# KiCad board mackerel-08-v1.kicad_pcb (continued)
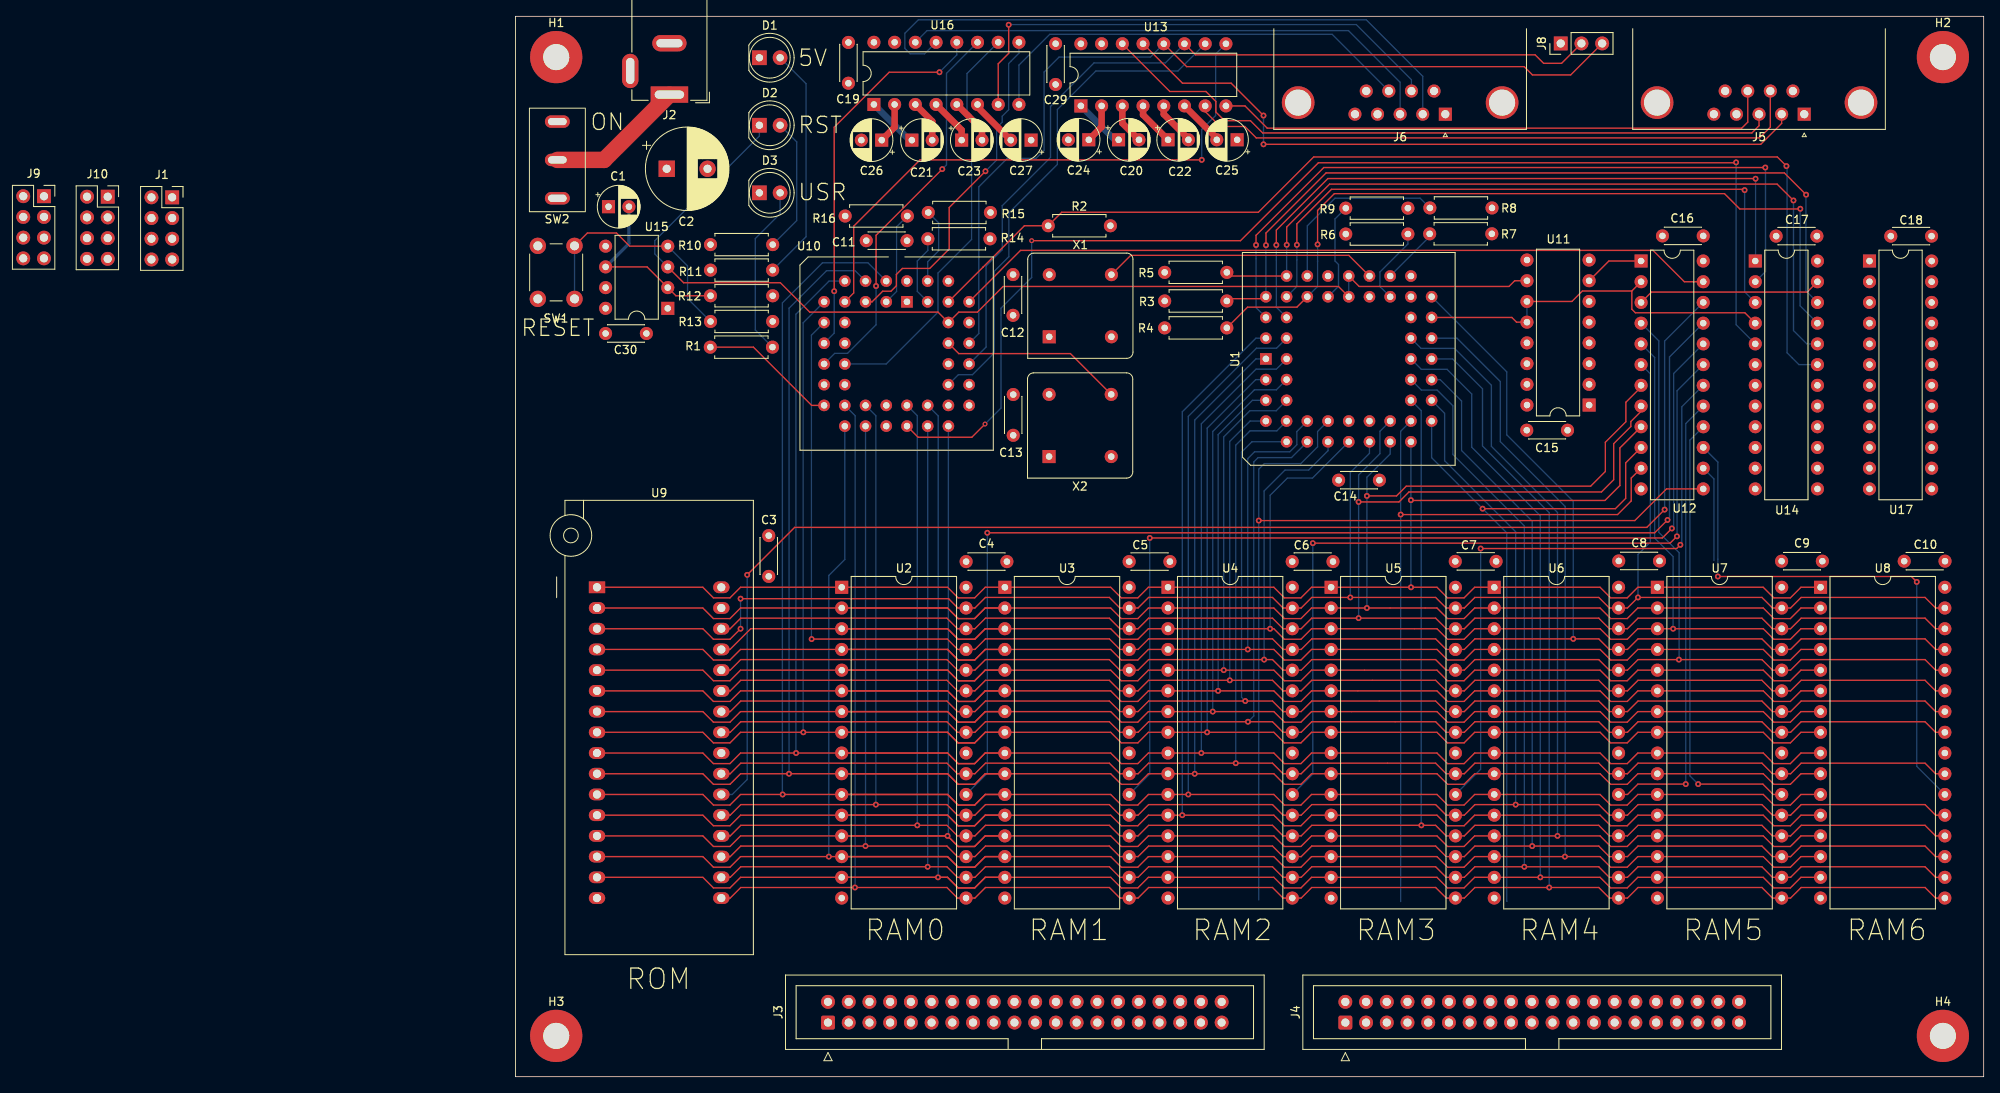
[diagram p0: board, top side]
## Routing (per net, layer and track width the routed paths; a pad name or vN(x,y) marks a point on that pad's centre or on a via; arc(x,y) is an arc through that point)
/AS: length 47.5
  Top w0.16: U11.11 129.52,95.04 130.8,96.32 136.86,96.32 ; 136.86,96.32 136.86,94.1 137.3,93.66 150.72,93.66 U14.4 ; 136.86,96.32 U12.2 ; U1.31 122.15,93.08 122.73,92.5 U11.12
  Bottom w0.16: U11.12 U11.11
/CTSA: length 71.2
  Top w0.16: U10.8 41.47,96.09 41.47,104.27 49.6,112.4 v1(84.14,112.4)
  Bottom w0.16: v1(84.14,112.4) 84.14,116.13 85.84,117.84 85.84,125.37 U13.9
/CTSB: length 42.6
  Top w0.16: v1(57.62,111) 53.18,106.56 53.18,101.48 50.79,99.09 47.44,99.09 46.7,98.35 46.7,96.96 46.04,96.3 45.02,96.3 43.73,95 U10.5
  Bottom w0.16: v1(57.62,111) 58.99,112.38 58.99,116.34 59.68,117.02 59.68,117.76 60.47,118.55 60.47,124.21 61.73,125.47 U16.9
/DUART: length 94.2
  Top w0.16: U12.23 143.3,97.46 139.46,101.3 61.92,101.3 U10.39
/IACK: length 22.7
  Top w0.16: U12.3 139.28,96.2 158.36,96.2 U14.23
/IACK_DUART: length 137.8
  Top w0.16: v1(155.82,111.64) 154.7,112.76 97.86,112.76 91.07,105.97 66.97,105.97 R2.1 62.4,104.32 57.34,99.27 57.34,99.26 U10.41
  Bottom w0.16: U14.19 157.35,87.3 155.9,88.75 155.9,111.56 v1(155.82,111.64)
/INT_DUART: length 149.2
  Top w0.16: v2(63.29,102.49) 88.89,102.49 98.44,112.04 149.6,112.04 v1(149.65,112.1) ; v2(57.57,80.02) 55.95,78.39 49.37,78.39 U10.24
  Bottom w0.16: v1(149.65,112.1) 149.65,92.19 U14.5 ; v2(63.29,102.49) 63.29,97.97 59.53,94.21 59.53,81.97 v2(57.57,80.02)
/IO: length 11.9
  Bottom w0.16: U12.14 146.93,73.29 146.93,63.28
/IPL0: length 97
  Top w0.16: R3.2 87.49,95.38 91.76,95.38 U1.47 ; v1(158.23,108.13) 155.56,110.8 99.38,110.8 92.01,103.43 v1(92.01,101.94)
  Bottom w0.16: v1(92.01,101.94) 92,101.92 U1.47 ; U14.22 158.21,96.33 158.21,108.11 v1(158.23,108.13)
/IPL1: length 98.3
  Top w0.16: v1(98.34,102.04) 98.34,106.2 100.4,108.26 148.22,108.26 150.1,106.38 157.5,106.38 v1(157.52,106.41) ; U1.45 95.8,94.34 89.75,94.34 R4.2
  Bottom w0.16: v1(98.34,102.04) 98.34,96.88 U1.45 ; v1(157.52,106.41) 157.5,106.38 157.5,94.5 U14.21
/IPL2: length 98.2
  Top w0.16: R5.2 87.66,98.16 U1.46 ; v1(156.68,107.42) 154.68,109.43 99.81,109.43 94.55,104.17 v1(94.55,101.99)
  Bottom w0.16: U14.20 158.31,89.84 156.68,91.47 v1(156.68,107.42) ; U1.46 94.54,101.97 v1(94.55,101.99)
/RAM0: length 143.1
  Top w0.16: v1(141.24,68.26) 139.66,66.68 v1(57.85,66.68)
  Bottom w0.16: U12.21 141.48,88.24 141.48,68.5 v1(141.24,68.26) ; v1(57.85,66.68) 57.85,37.21 U2.22
/RAM1: length 121.2
  Top w0.16: v1(77.76,66.05) 140.6,66.05 v1(141.77,67.21)
  Bottom w0.16: U12.20 141.99,86.21 141.99,67.43 v1(141.77,67.21) ; v1(77.76,66.05) 77.76,37.12 U3.22
/RAM2: length 99.2
  Top w0.16: v1(97.75,65.41) 141.56,65.41 v1(142.4,66.25)
  Bottom w0.16: U4.22 97.75,37.11 v1(97.75,65.41) ; v1(142.4,66.25) 142.41,66.26 142.41,84.09 U12.19
/RAM3: length 76.8
  Top w0.16: v1(118.33,64.75) 142.36,64.75 v1(142.81,65.21)
  Bottom w0.16: U12.18 142.99,82.13 142.99,65.39 v1(142.81,65.21) ; v1(118.33,64.75) 118.33,37.69 U5.22
/RAM4: length 56
  Top w0.16: v1(143.47,35.87) 137.61,35.87 136.34,34.6 U6.22
  Bottom w0.16: U12.17 143.47,80.07 v1(143.47,35.87)
/RAM5: length 55.7
  Top w0.16: U7.22 154.19,34.6 152.92,35.87 v1(145,35.87)
  Bottom w0.16: U12.16 143.98,78.04 143.98,36.89 v1(145,35.87)
/RAM6: length 68.7
  Top w0.16: v1(147.41,61.32) 171.13,61.32 v1(171.8,60.66)
  Bottom w0.16: v1(147.41,61.32) 147.41,75.35 U12.15 ; U8.22 171.8,38.04 v1(171.8,60.66)
/RESET: length 137.2
  Top w0.16: U1.41 100.9,96.88 59.78,96.88 56.63,93.73 54.35,93.73 U10.38 51.81,93.73 36.08,93.73 32.48,97.34 20.61,97.34 U15.3 ; U11.10 122.51,97.58 121.81,96.88 103.44,96.88 U1.40
  Bottom w0.16: U1.40 U1.41 ; U15.3 17.08,100.87 17.08,102.49 29.91,115.32 D2.1
/ROM: length 172.2
  Top w0.16: v1(28.41,61.52) 34.23,67.34 138.7,67.34 v1(140.88,69.53)
  Bottom w0.16: U12.22 140.88,90.18 v1(140.88,69.53) ; v1(28.41,61.52) 28.41,36.43 26.58,34.6 U9.22
/RTSA: length 61.7
  Bottom w0.16: U13.10 81.22,123.3 71.16,123.3 66.44,118.57 66.44,111.84 60.49,105.9 60.49,100.54 58.71,98.76 58.71,88.75 56.02,86.06 54.3,86.06 U10.32
/RTSB: length 50.7
  Bottom w0.16: U10.14 45.45,87.38 51.81,93.73 51.81,98.53 55.92,102.65 55.92,117.81 55.36,118.37 55.36,122.99 U16.10
/RW: length 234.5
  Top w0.16: U8.29 174.11,52.38 172.81,53.68 157.62,53.68 156.33,52.38 U7.29 154.11,52.38 152.81,53.68 137.62,53.68 136.33,52.38 U6.29 134.11,52.38 132.81,53.68 v1(129.68,53.68) 117.62,53.68 116.33,52.38 U5.29 114.11,52.38 112.81,53.68 97.62,53.68 96.33,52.38 U4.29 94.11,52.38 92.81,53.68 77.62,53.68 76.33,52.38 U3.29 74.11,52.38 72.81,53.68 57.62,53.68 56.33,52.38 U2.29 54.22,52.38 52.95,53.65 v1(36.31,53.65)
  Bottom w0.16: v1(36.31,53.65) 36.29,53.68 36.29,90.91 U10.9 ; v1(129.68,53.68) 129.68,70.54 121.53,78.69 121.53,86.41 U1.33
A0: length 242
  Top w0.16: 56.3,30.76 57.6,32.06 ; 56.3,30.76 54.27,30.76 ; 56.3,30.76 54.27,30.76 ; 56.3,30.76 57.6,32.06 ; 57.6,32.06 U3.12 ; 57.6,32.06 U3.12 ; U8.12 157.6,32.06 156.3,30.76 154.27,30.76 152.97,32.06 U7.12 137.6,32.06 136.3,30.76 134.27,30.76 132.97,32.06 U6.12 117.6,32.06 116.3,30.76 114.27,30.76 112.97,32.06 U5.12 97.6,32.06 96.3,30.76 94.27,30.76 92.97,32.06 v1(81.75,32.06) U4.12 77.6,32.06 76.3,30.76 74.27,30.76 72.97,32.06 U3.12 ; U9.12 22.97,32.06 24.27,30.76 26.3,30.76 27.6,32.06 U2.12 ; 52.97,32.06 54.27,30.76 ; 52.97,32.06 U2.12 ; 52.97,32.06 U2.12 ; 52.97,32.06 54.27,30.76
  Bottom w0.16: v1(81.75,32.06) 81.75,81.51 90.78,90.54 U1.51
A1: length 316.9
  Top w0.16: U3.11 72.97,34.6 74.27,33.3 76.3,33.3 77.6,34.6 U4.11 v1(82.49,34.6) 92.97,34.6 94.27,33.3 96.3,33.3 97.6,34.6 U5.11 112.97,34.6 114.27,33.3 116.3,33.3 117.6,34.6 U6.11 132.97,34.6 134.27,33.3 136.3,33.3 137.6,34.6 U7.11 152.97,34.6 154.27,33.3 156.3,33.3 157.6,34.6 U8.11 ; U3.11 57.6,34.6 ; U3.11 57.6,34.6 ; 54.27,33.3 56.3,33.3 ; 54.27,33.3 56.3,33.3 ; 54.27,33.3 52.97,34.6 ; 54.27,33.3 52.97,34.6 ; 56.3,33.3 57.6,34.6 ; 56.3,33.3 57.6,34.6 ; 52.97,34.6 U2.11 ; 52.97,34.6 U2.11 ; U2.11 v1(32.76,34.6) 27.6,34.6 26.3,33.3 24.27,33.3 22.97,34.6 U9.11
  Bottom w0.16: v1(82.49,34.6) 82.49,80.95 90.85,89.31 93.31,89.31 U1.52 ; v1(32.76,34.6) 32.73,34.63 32.73,94.87 37.63,99.78 43.22,99.78 U10.2
A2: length 302.7
  Top w0.16: U2.10 52.97,37.14 ; U2.10 v1(33.54,37.14) 27.6,37.14 26.3,35.84 24.27,35.84 22.97,37.14 U9.10 ; U2.10 52.97,37.14 ; 52.97,37.14 54.27,35.84 ; 52.97,37.14 54.27,35.84 ; 54.27,35.84 56.3,35.84 ; 54.27,35.84 56.3,35.84 ; 56.3,35.84 57.6,37.14 ; 56.3,35.84 57.6,37.14 ; 57.6,37.14 U3.10 ; 57.6,37.14 U3.10 ; U3.10 72.97,37.14 74.27,35.84 76.3,35.84 77.6,37.14 U4.10 v1(83.28,37.14) 92.97,37.14 94.27,35.84 96.3,35.84 97.6,37.14 U5.10 112.97,37.14 114.27,35.84 116.3,35.84 117.6,37.14 U6.10 132.97,37.14 134.27,35.84 136.3,35.84 137.6,37.14 U7.10 152.97,37.14 154.27,35.84 156.3,35.84 157.6,37.14 U8.10
  Bottom w0.16: U10.4 41.65,98.81 38.14,98.81 33.54,94.21 v1(33.54,37.14) ; v1(83.28,37.14) 83.28,80.5 90.78,88 U1.1
A3: length 294.2
  Top w0.16: 56.3,38.38 57.6,39.68 ; 56.3,38.38 54.27,38.38 ; 56.3,38.38 57.6,39.68 ; 56.3,38.38 54.27,38.38 ; 57.6,39.68 U3.9 ; 57.6,39.68 U3.9 ; U2.9 52.97,39.68 ; U2.9 52.97,39.68 ; U2.9 v1(34.41,39.68) 27.6,39.68 26.3,38.38 24.27,38.38 22.97,39.68 U9.9 ; 52.97,39.68 54.27,38.38 ; 52.97,39.68 54.27,38.38 ; U3.9 72.97,39.68 74.27,38.38 76.3,38.38 77.6,39.68 U4.9 v1(84.09,39.68) 92.97,39.68 94.27,38.38 96.3,38.38 97.6,39.68 U5.9 112.97,39.68 114.27,38.38 116.3,38.38 117.6,39.68 U6.9 132.97,39.68 134.27,38.38 136.3,38.38 137.6,39.68 U7.9 152.97,39.68 154.27,38.38 156.3,38.38 157.6,39.68 U8.9
  Bottom w0.16: v1(34.41,39.68) 34.38,39.71 34.38,93.48 38.44,97.54 U10.6 ; v1(84.09,39.68) 84.09,80.04 90.79,86.75 93.29,86.75 U1.2
A4: length 279.4
  Top w0.16: 54.27,40.92 56.3,40.92 ; 54.27,40.92 52.97,42.22 ; 54.27,40.92 52.97,42.22 ; 54.27,40.92 56.3,40.92 ; 56.3,40.92 57.6,42.22 ; 56.3,40.92 57.6,42.22 ; U8.8 157.6,42.22 156.3,40.92 154.27,40.92 152.97,42.22 U7.8 137.6,42.22 136.3,40.92 134.27,40.92 132.97,42.22 U6.8 117.6,42.22 116.3,40.92 114.27,40.92 112.97,42.22 U5.8 97.6,42.22 96.3,40.92 94.27,40.92 92.97,42.22 v1(84.8,42.22) U4.8 77.6,42.22 76.3,40.92 74.27,40.92 72.97,42.22 U3.8 ; U2.8 52.97,42.22 ; U2.8 v1(35.3,42.22) 27.6,42.22 26.3,40.92 24.27,40.92 22.97,42.22 U9.8 ; U2.8 52.97,42.22 ; 57.6,42.22 U3.8 ; 57.6,42.22 U3.8
  Bottom w0.16: U10.7 35.27,92.43 35.27,42.25 v1(35.3,42.22) ; v1(84.8,42.22) 84.8,79.51 90.75,85.46 U1.3
A5: length 224.6
  Top w0.16: U2.7 27.6,44.76 26.3,43.46 24.27,43.46 22.97,44.76 U9.7 ; U2.7 52.97,44.76 ; U2.7 52.97,44.76 ; 56.3,43.46 57.6,44.76 ; 56.3,43.46 54.27,43.46 ; 56.3,43.46 54.27,43.46 ; 56.3,43.46 57.6,44.76 ; 57.6,44.76 U3.7 ; 57.6,44.76 U3.7 ; U8.7 157.6,44.76 156.3,43.46 154.27,43.46 152.97,44.76 U7.7 137.6,44.76 136.3,43.46 134.27,43.46 132.97,44.76 U6.7 117.6,44.76 116.3,43.46 114.27,43.46 112.97,44.76 U5.7 97.6,44.76 96.3,43.46 94.27,43.46 92.97,44.76 v1(85.49,44.76) U4.7 77.6,44.76 76.3,43.46 74.27,43.46 72.97,44.76 U3.7 ; 52.97,44.76 54.27,43.46 ; 52.97,44.76 54.27,43.46
  Bottom w0.16: v1(85.49,44.76) 85.49,79.1 90.59,84.21 93.29,84.21 U1.4
A6: length 217.6
  Top w0.16: U2.6 52.97,47.3 ; U2.6 52.97,47.3 ; U2.6 27.6,47.3 26.3,46 24.27,46 22.97,47.3 U9.6 ; 52.97,47.3 54.27,46 ; 52.97,47.3 54.27,46 ; 54.27,46 56.3,46 ; 54.27,46 56.3,46 ; 56.3,46 57.6,47.3 ; 56.3,46 57.6,47.3 ; 57.6,47.3 U3.6 ; 57.6,47.3 U3.6 ; U3.6 72.97,47.3 74.27,46 76.3,46 77.6,47.3 U4.6 v1(86.15,47.3) 92.97,47.3 94.27,46 96.3,46 97.6,47.3 U5.6 112.97,47.3 114.27,46 116.3,46 117.6,47.3 U6.6 132.97,47.3 134.27,46 136.3,46 137.6,47.3 U7.6 152.97,47.3 154.27,46 156.3,46 157.6,47.3 U8.6
  Bottom w0.16: U1.5 90.35,82.92 86.15,78.72 v1(86.15,47.3)
A7: length 216.7
  Top w0.16: U2.5 52.97,49.84 ; U2.5 27.6,49.84 26.3,48.54 24.27,48.54 22.97,49.84 U9.5 ; U2.5 52.97,49.84 ; 52.97,49.84 54.27,48.54 ; 52.97,49.84 54.27,48.54 ; U8.5 157.6,49.84 156.3,48.54 154.27,48.54 152.97,49.84 U7.5 137.6,49.84 136.3,48.54 134.27,48.54 132.97,49.84 U6.5 117.6,49.84 116.3,48.54 114.27,48.54 112.97,49.84 U5.5 97.6,49.84 96.3,48.54 94.27,48.54 92.97,49.84 v1(86.83,49.84) U4.5 77.6,49.84 76.3,48.54 74.27,48.54 72.97,49.84 U3.5 ; 54.27,48.54 56.3,48.54 ; 54.27,48.54 56.3,48.54 ; 57.6,49.84 U3.5 ; 57.6,49.84 56.3,48.54 ; 57.6,49.84 U3.5 ; 57.6,49.84 56.3,48.54
  Bottom w0.16: v1(86.83,49.84) 86.83,78.44 90.03,81.64 93.26,81.64 U1.6
A8: length 192.3
  Top w0.16: U9.27 26.33,47.3 27.62,48.6 52.9,48.6 54.19,47.3 U2.27 56.33,47.3 57.62,48.6 72.81,48.6 74.11,47.3 U3.27 76.33,47.3 77.62,48.6 v1(87.57,48.6) 92.81,48.6 94.11,47.3 U4.27 96.33,47.3 97.62,48.6 112.81,48.6 114.11,47.3 U5.27 116.33,47.3 117.62,48.6 132.81,48.6 134.11,47.3 U6.27 136.33,47.3 137.62,48.6 152.81,48.6 154.11,47.3 U7.27 156.33,47.3 157.62,48.6 172.81,48.6 174.11,47.3 U8.27
  Bottom w0.16: v1(87.57,48.6) 87.57,77.88 90.07,80.38 U1.7
A9: length 194.3
  Top w0.16: U9.26 26.33,44.76 27.62,46.06 52.9,46.06 54.19,44.76 U2.26 56.33,44.76 57.62,46.06 72.81,46.06 74.11,44.76 U3.26 76.33,44.76 77.62,46.06 v1(89.47,46.06) 92.81,46.06 94.11,44.76 U4.26 96.33,44.76 97.62,46.06 112.81,46.06 114.11,44.76 U5.26 116.33,44.76 117.62,46.06 132.81,46.06 134.11,44.76 U6.26 136.33,44.76 137.62,46.06 152.81,46.06 154.11,44.76 U7.26 156.33,44.76 157.62,46.06 172.81,46.06 174.11,44.76 U8.26
  Bottom w0.16: v1(89.47,46.06) 89.02,46.51 89.02,76.56 90.3,77.84 U1.8
A10: length 204
  Top w0.16: U9.23 26.33,37.14 27.62,38.44 52.9,38.44 54.19,37.14 U2.23 56.33,37.14 57.62,38.44 72.81,38.44 74.11,37.14 U3.23 76.33,37.14 77.62,38.44 v1(88.31,38.44) 92.81,38.44 94.11,37.14 U4.23 96.33,37.14 97.62,38.44 112.81,38.44 114.11,37.14 U5.23 116.33,37.14 117.62,38.44 132.81,38.44 134.11,37.14 U6.23 136.33,37.14 137.62,38.44 152.81,38.44 154.11,37.14 U7.23 156.33,37.14 157.62,38.44 172.81,38.44 174.11,37.14 U8.23
  Bottom w0.16: U1.9 93.34,79.18 90.06,79.18 88.31,77.42 v1(88.31,38.44)
A11: length 197.2
  Top w0.16: U8.25 174.11,42.22 172.81,43.52 157.62,43.52 156.33,42.22 U7.25 154.11,42.22 152.81,43.52 137.62,43.52 136.33,42.22 U6.25 134.11,42.22 132.81,43.52 117.62,43.52 116.33,42.22 U5.25 114.11,42.22 112.81,43.52 97.62,43.52 96.33,42.22 U4.25 94.11,42.22 92.81,43.52 v1(89.8,43.52) 77.62,43.52 76.33,42.22 U3.25 74.11,42.22 72.81,43.52 57.62,43.52 56.33,42.22 U2.25 54.19,42.22 52.9,43.52 27.62,43.52 26.33,42.22 U9.25
  Bottom w0.16: v1(89.8,43.52) 90.52,44.23 90.52,75.37 91.05,75.9 95.14,75.9 U1.10
A12: length 212.1
  Top w0.16: U2.4 52.97,52.38 ; U2.4 52.97,52.38 ; U2.4 27.6,52.38 26.3,51.08 24.27,51.08 22.97,52.38 U9.4 ; 52.97,52.38 54.27,51.08 ; 52.97,52.38 54.27,51.08 ; 56.3,51.08 57.6,52.38 ; 56.3,51.08 54.27,51.08 ; 56.3,51.08 54.27,51.08 ; 56.3,51.08 57.6,52.38 ; 57.6,52.38 U3.4 ; 57.6,52.38 U3.4 ; U3.4 72.97,52.38 74.27,51.08 76.3,51.08 77.6,52.38 U4.4 v1(89.78,52.38) 92.97,52.38 94.27,51.08 96.3,51.08 97.6,52.38 U5.4 112.97,52.38 114.27,51.08 116.3,51.08 117.6,52.38 U6.4 132.97,52.38 134.27,51.08 136.3,51.08 137.6,52.38 U7.4 152.97,52.38 154.27,51.08 156.3,51.08 157.6,52.38 U8.4
  Bottom w0.16: v1(89.78,52.38) 89.78,75.77 90.62,76.61 94.94,76.61 95.8,77.48 95.8,79.1 U1.11
A13: length 232.3
  Top w0.16: U8.28 174.11,49.84 172.81,51.14 157.62,51.14 156.33,49.84 U7.28 154.11,49.84 152.81,51.14 v1(142.64,51.14) 137.62,51.14 136.33,49.84 U6.28 134.11,49.84 132.81,51.14 117.62,51.14 116.33,49.84 U5.28 114.11,49.84 112.81,51.14 97.62,51.14 96.33,49.84 U4.28 94.11,49.84 92.81,51.14 v1(91.79,51.14) 77.62,51.14 76.33,49.84 U3.28 74.11,49.84 72.81,51.14 57.62,51.14 56.33,49.84 U2.28 54.19,49.84 52.9,51.14 27.62,51.14 26.33,49.84 U9.28
  Bottom w0.16: U1.12 99.62,76.75 97.25,74.38 94.35,74.38 91.79,71.81 v1(91.79,51.14) ; v1(142.64,51.14) 142.66,51.16 142.66,64.24 140.17,66.73 140.17,90.21 U12.4
A14: length 228.6
  Top w0.16: 57.6,54.92 U3.3 ; 57.6,54.92 U3.3 ; 57.6,54.92 56.3,53.62 ; 57.6,54.92 56.3,53.62 ; U3.3 72.97,54.92 74.27,53.62 76.3,53.62 77.6,54.92 U4.3 v1(92.52,54.92) 92.97,54.92 94.27,53.62 96.3,53.62 97.6,54.92 U5.3 112.97,54.92 114.27,53.62 116.3,53.62 117.6,54.92 U6.3 132.97,54.92 134.27,53.62 136.3,53.62 137.6,54.92 U7.3 v1(141.93,54.92) 152.97,54.92 154.27,53.62 156.3,53.62 157.6,54.92 U8.3 ; U2.3 52.97,54.92 ; U2.3 52.97,54.92 ; U2.3 28.84,54.92 26.3,52.38 U9.29 ; 52.97,54.92 54.27,53.62 ; 52.97,54.92 54.27,53.62 ; 56.3,53.62 54.27,53.62 ; 56.3,53.62 54.27,53.62
  Bottom w0.16: U12.5 139.66,88.18 139.66,66.02 141.93,63.76 v1(141.93,54.92) ; v1(92.52,54.92) 92.52,71.28 94.63,73.39 97.71,73.39 U1.14
A15: length 226.6
  Top w0.16: v1(27.6,58.6) 53.1,58.6 54.24,57.46 U2.31 56.33,57.46 57.62,58.76 72.81,58.76 74.11,57.46 U3.31 76.33,57.46 77.62,58.76 92.81,58.76 94.11,57.46 U4.31 96.33,57.46 97.62,58.76 v1(102.35,58.76) 112.81,58.76 114.11,57.46 U5.31 116.33,57.46 117.62,58.76 132.81,58.76 134.11,57.46 U6.31 136.33,57.46 v1(137.62,58.76) 152.81,58.76 154.11,57.46 U7.31 156.33,57.46 157.62,58.76 172.81,58.76 174.11,57.46 U8.31 ; U9.3 22.97,54.92 24.27,53.62 26.3,53.62 v1(27.6,54.92)
  Bottom w0.16: v1(27.6,58.6) 27.6,58.6 v1(27.6,54.92) ; v1(137.62,58.76) 137.62,64.03 139.13,65.54 139.13,86.17 U12.6 ; U1.16 104.7,76.42 102.35,74.07 v1(102.35,58.76)
A16: length 243
  Top w0.16: 56.3,56.16 57.6,57.46 ; 56.3,56.16 54.27,56.16 ; 56.3,56.16 54.27,56.16 ; 56.3,56.16 57.6,57.46 ; 57.6,57.46 U3.2 ; 57.6,57.46 U3.2 ; v1(104.38,71.2) 108.02,71.2 109.21,72.4 131.82,72.4 133.62,74.2 133.62,77.78 136.13,80.29 136.13,82.68 138,84.55 U12.7 ; U2.2 52.97,57.46 ; U2.2 52.97,57.46 ; U2.2 27.6,57.46 26.3,56.16 24.27,56.16 22.97,57.46 U9.2 ; 52.97,57.46 54.27,56.16 ; 52.97,57.46 54.27,56.16 ; U8.2 157.6,57.46 156.3,56.16 154.27,56.16 152.97,57.46 U7.2 137.6,57.46 136.3,56.16 134.27,56.16 132.97,57.46 U6.2 117.6,57.46 116.3,56.16 114.27,56.16 112.97,57.46 v1(104.38,57.46) U5.2 97.6,57.46 96.3,56.16 94.27,56.16 92.97,57.46 U4.2 77.6,57.46 76.3,56.16 74.27,56.16 72.97,57.46 U3.2
  Bottom w0.16: U1.18 107.24,76.34 104.38,73.49 v1(104.38,71.2) v1(104.38,57.46)
A17: length 226.1
  Top w0.16: v1(103.37,70.47) 108.32,70.47 109.54,71.68 133.14,71.68 134.64,73.18 134.64,77.6 136.74,79.71 136.74,80.32 138,81.58 U12.8 ; U8.30 174.11,54.92 172.81,56.22 157.62,56.22 156.33,54.92 U7.30 154.11,54.92 152.81,56.22 137.62,56.22 136.33,54.92 U6.30 134.11,54.92 132.81,56.22 117.62,56.22 116.33,54.92 U5.30 114.11,54.92 112.81,56.22 v1(103.37,56.22) 97.62,56.22 96.33,54.92 U4.30 94.11,54.92 92.81,56.22 77.62,56.22 76.33,54.92 U3.30 74.11,54.92 72.81,56.22 57.62,56.22 56.33,54.92 U2.30 54.19,54.92 52.9,56.22 27.62,56.22 26.33,54.92 U9.30
  Bottom w0.16: U1.19 105.98,79.12 105.98,76.38 103.37,73.77 v1(103.37,70.47) v1(103.37,56.22)
A18: length 210
  Top w0.16: U8.1 157.6,60 156.3,58.7 154.27,58.7 152.97,60 U7.1 137.6,60 136.3,58.7 134.27,58.7 132.97,60 U6.1 117.6,60 116.3,58.7 114.27,58.7 112.97,60 v1(109.79,60) U5.1 97.6,60 96.3,58.7 94.27,58.7 92.97,60 U4.1 77.6,60 76.3,58.7 74.27,58.7 72.97,60 U3.1 57.6,60 56.3,58.7 54.27,58.7 52.97,60 U2.1 27.6,60 26.3,58.7 24.27,58.7 22.97,60 U9.1 ; v1(109.78,70.68) 109.82,70.64 133.57,70.64 135.4,72.47 135.4,77.08 U12.9
  Bottom w0.16: v1(109.79,60) 109.78,60.01 v1(109.78,70.68) U1.20
A19: length 87.8
  Top w0.16: v1(118.57,69.64) 134.85,69.64 136.11,70.9 136.11,75.25 U12.10
  Bottom w0.16: U1.21 112.32,75.89 v1(118.57,69.64) 121.53,66.68 121.53,21.52 121.55,21.49
A20: length 92.9
  Top w0.16: v1(108.52,68.92) 135.12,68.92 136.79,70.59 136.79,73.39 U12.11
  Bottom w0.16: U1.22 108.52,79.12 v1(108.52,68.92) 108.52,21.47
A21: length 120.9
  Top w0.16: v1(91.12,68.18) 137.23,68.18 141.11,72.06 U12.13
  Bottom w0.16: 91.12,21.67 v1(91.12,68.18) 91.12,74.48 91.81,75.16 96.28,75.16 98.34,77.22 98.34,79.1 U1.13
BOOT: length 7.4
  Top w0.16: U11.7 134.05,100 U12.1
CLK_CPU: length 33.7
  Top w0.16: X1.5 75.43,100.69 102.17,100.69 U1.38
D0: length 299.7
  Top w0.16: v1(52.97,29.52) 54.27,28.22 ; v1(52.97,29.52) U2.13 ; v1(52.97,29.52) U2.13 ; v1(52.97,29.52) 54.27,28.22 ; 54.27,28.22 56.3,28.22 ; 54.27,28.22 56.3,28.22 ; 56.3,28.22 57.6,29.52 ; 56.3,28.22 57.6,29.52 ; U2.13 27.6,29.52 26.3,28.22 24.27,28.22 22.97,29.52 U9.13 ; 57.6,29.52 U3.13 ; 57.6,29.52 U3.13 ; U8.13 157.6,29.52 156.3,28.22 154.27,28.22 152.97,29.52 U7.13 137.6,29.52 136.3,28.22 134.27,28.22 132.97,29.52 v1(127.75,29.52) U6.13 117.6,29.52 116.3,28.22 114.27,28.22 112.97,29.52 U5.13 97.6,29.52 96.3,28.22 94.27,28.22 92.97,29.52 U4.13 77.6,29.52 76.3,28.22 74.27,28.22 72.97,29.52 U3.13
  Bottom w0.16: v1(127.75,29.52) 127.75,69.17 119.65,77.27 119.65,84.77 115.13,89.29 111.03,89.29 U1.30 ; v1(52.97,29.52) 53.08,29.63 U10.28
D1: length 304.3
  Top w0.16: U2.14 v1(38.42,26.98) 27.6,26.98 26.3,25.68 24.27,25.68 22.97,26.98 U9.14 ; U2.14 52.97,26.98 ; U2.14 52.97,26.98 ; 56.3,25.68 57.6,26.98 ; 56.3,25.68 57.6,26.98 ; 56.3,25.68 54.27,25.68 ; 56.3,25.68 54.27,25.68 ; 57.6,26.98 U3.14 ; 57.6,26.98 U3.14 ; U3.14 72.97,26.98 74.27,25.68 76.3,25.68 77.6,26.98 U4.14 92.97,26.98 94.27,25.68 96.3,25.68 97.6,26.98 U5.14 112.97,26.98 114.27,25.68 116.3,25.68 117.6,26.98 U6.14 v1(128.67,26.98) 132.97,26.98 134.27,25.68 136.3,25.68 137.6,26.98 U7.14 152.97,26.98 154.27,25.68 156.3,25.68 157.6,26.98 U8.14 ; 52.97,26.98 54.27,25.68 ; 52.97,26.98 54.27,25.68
  Bottom w0.16: v1(38.42,26.98) 38.42,61.45 40.38,63.41 U10.18 ; U1.29 115.42,90.54 120.74,85.22 120.74,77.86 128.69,69.91 128.69,27.01 v1(128.67,26.98)
D2: length 309
  Top w0.16: U3.15 72.97,24.44 74.27,23.14 76.3,23.14 77.6,24.44 U4.15 92.97,24.44 94.27,23.14 96.3,23.14 97.6,24.44 U5.15 112.97,24.44 114.27,23.14 116.3,23.14 117.6,24.44 U6.15 v1(125.64,24.44) 132.97,24.44 134.27,23.14 136.3,23.14 137.6,24.44 U7.15 152.97,24.44 154.27,23.14 156.3,23.14 157.6,24.44 U8.15 ; U3.15 57.6,24.44 ; U3.15 57.6,24.44 ; U2.15 27.6,24.44 26.3,23.14 24.27,23.14 22.97,24.44 U9.15 ; U2.15 v1(51.81,24.44) 52.97,24.44 ; U2.15 52.97,24.44 ; 54.27,23.14 56.3,23.14 ; 54.27,23.14 52.97,24.44 ; 54.27,23.14 56.3,23.14 ; 54.27,23.14 52.97,24.44 ; 56.3,23.14 57.6,24.44 ; 56.3,23.14 57.6,24.44
  Bottom w0.16: v1(51.81,24.44) 51.83,24.47 51.83,81.01 U10.27 ; v1(125.64,24.44) 125.64,68.76 117.24,77.17 117.24,83.7 114.21,86.72 111.06,86.72 U1.28
D3: length 289.4
  Top w0.16: U9.17 26.33,21.9 27.62,23.2 v1(41.62,23.2) 52.9,23.2 54.19,21.9 U2.17 56.33,21.9 57.62,23.2 72.81,23.2 74.11,21.9 U3.17 76.33,21.9 77.62,23.2 92.81,23.2 94.11,21.9 U4.17 96.33,21.9 97.62,23.2 112.81,23.2 114.11,21.9 U5.17 116.33,21.9 117.62,23.2 v1(126.74,23.2) 132.81,23.2 134.11,21.9 U6.17 136.33,21.9 137.62,23.2 152.81,23.2 154.11,21.9 U7.17 156.33,21.9 157.62,23.2 172.81,23.2 174.11,21.9 U8.17
  Bottom w0.16: v1(126.74,23.2) 126.74,69.14 118.56,77.32 118.56,84.33 114.89,88 U1.27 ; v1(41.62,23.2) 41.65,23.22 41.65,81.03 U10.19
D4: length 278.2
  Top w0.16: U9.18 26.33,24.44 27.62,25.74 v1(50.54,25.74) 52.9,25.74 54.19,24.44 U2.18 56.33,24.44 57.62,25.74 72.81,25.74 74.11,24.44 U3.18 76.33,24.44 77.62,25.74 92.81,25.74 94.11,24.44 U4.18 96.33,24.44 97.62,25.74 112.81,25.74 114.11,24.44 U5.18 116.33,24.44 117.62,25.74 v1(123.69,25.74) 132.81,25.74 134.11,24.44 U6.18 136.33,24.44 137.62,25.74 152.81,25.74 154.11,24.44 U7.18 156.33,24.44 157.62,25.74 172.81,25.74 174.11,24.44 U8.18
  Bottom w0.16: U10.26 50.54,25.74 v1(50.54,25.74) ; U1.26 111.06,84.18 112.99,84.18 114.92,82.25 114.92,76.28 123.69,67.52 v1(123.69,25.74)
D5: length 271.9
  Top w0.16: U8.19 174.11,26.98 172.81,28.28 157.62,28.28 156.33,26.98 U7.19 154.11,26.98 152.81,28.28 137.62,28.28 136.33,26.98 U6.19 134.11,26.98 132.81,28.28 v1(124.65,28.28) 117.62,28.28 116.33,26.98 U5.19 114.11,26.98 112.81,28.28 97.62,28.28 96.33,26.98 U4.19 94.11,26.98 92.81,28.28 77.62,28.28 76.33,26.98 U3.19 74.11,26.98 72.81,28.28 57.62,28.28 56.33,26.98 U2.19 54.19,26.98 52.9,28.28 v1(42.92,28.28) 27.62,28.28 26.33,26.98 U9.19
  Bottom w0.16: U10.20 42.92,28.28 v1(42.92,28.28) ; v1(124.65,28.28) 124.65,68.1 115.99,76.76 115.99,82.83 113.37,85.46 U1.25
D6: length 262.2
  Top w0.16: U8.20 174.11,29.52 172.81,30.82 157.62,30.82 156.33,29.52 U7.20 154.11,29.52 152.81,30.82 137.62,30.82 136.33,29.52 U6.20 134.11,29.52 132.81,30.82 117.62,30.82 116.33,29.52 U5.20 114.11,29.52 112.81,30.82 v1(111.06,30.82) 97.62,30.82 96.33,29.52 U4.20 94.11,29.52 92.81,30.82 77.62,30.82 76.33,29.52 U3.20 74.11,29.52 72.81,30.82 57.62,30.82 56.33,29.52 U2.20 54.19,29.52 52.9,30.82 v1(49.27,30.82) 27.62,30.82 26.33,29.52 U9.20
  Bottom w0.16: v1(111.06,30.82) 111.04,30.84 111.04,81.66 U1.24 ; U10.25 49.27,81.03 v1(49.27,30.82)
D7: length 260.8
  Top w0.16: U8.21 174.11,32.06 172.81,33.36 157.62,33.36 156.33,32.06 U7.21 154.11,32.06 152.81,33.36 137.62,33.36 136.33,32.06 U6.21 134.11,32.06 132.81,33.36 v1(122.62,33.36) 117.62,33.36 116.33,32.06 U5.21 114.11,32.06 112.81,33.36 97.62,33.36 96.33,32.06 U4.21 94.11,32.06 92.81,33.36 77.62,33.36 76.33,32.06 U3.21 74.11,32.06 72.81,33.36 57.62,33.36 56.33,32.06 U2.21 54.19,32.06 52.9,33.36 v1(44.19,33.36) 27.62,33.36 26.33,32.06 U9.21
  Bottom w0.16: U1.23 113.91,81.33 113.91,75.52 122.62,66.81 v1(122.62,33.36) ; v1(44.19,33.36) 44.19,81.03 U10.21
FC0: length 82.7
  Top w0.16: v1(152.03,110.09) 152.01,110.11 99.61,110.11 93.28,103.79 v1(93.28,101.96)
  Bottom w0.16: U14.1 152.03,100.03 v1(152.03,110.09) ; U1.50 93.28,94.34 v1(93.28,101.96)
FC1: length 91
  Top w0.16: v1(153.23,111.46) 99.1,111.46 90.79,103.15 v1(90.79,101.96)
  Bottom w0.16: v1(153.23,111.46) 153.25,111.44 153.25,98.71 U14.2 ; v1(90.79,101.96) 90.79,94.29 U1.49
FC2: length 80.5
  Top w0.16: v1(95.8,101.99) 95.8,104.55 100.04,108.79 150.59,108.79 v1(150.69,108.69)
  Bottom w0.16: U14.3 150.69,96.23 v1(150.69,108.69) ; v1(95.8,101.99) 95.8,96.88 U1.48
RXA: length 112.2
  Top w0.16: U13.12 82.29,123.83 123.66,123.83 124.68,122.81 129.37,122.81 J8.3
  Bottom w0.16: U13.12 77.85,125 66.64,125 64.81,123.17 64.81,113.57 63.82,112.58 60.29,112.58 56.81,109.1 56.81,91.11 U10.35
RXB: length 47.2
  Top w0.16: v1(51.98,123.14) 45.82,123.14 39.08,116.41 v1(39.08,96.3)
  Bottom w0.16: U16.12 54.11,125.27 v1(51.98,123.14) ; v1(39.08,96.3) 39.08,91.16 U10.11
TXA: length 106
  Top w0.16: J8.2 128.25,124.24 126.05,124.24 125.01,125.28 83.38,125.28 U13.11
  Bottom w0.16: U13.11 79.67,124.29 70.93,124.29 65.6,118.95 65.6,112.71 59.68,106.79 59.68,101.38 57.7,99.4 57.7,89.46 U10.33
TXB: length 48.1
  Top w0.16: v1(44.21,96.93) 44.21,103.15 v1(52.33,111.27)
  Bottom w0.16: v1(44.21,96.93) 44.21,92.18 40.71,88.68 39.14,88.68 U10.13 ; U16.11 52.85,123.01 52.85,111.79 v1(52.33,111.27)
Net-(D1-A): length 29
  Bottom w0.16: R11.2 35.63,102.98 35.63,121.74 D1.2
Net-(D2-A): length 16.7
  Bottom w0.16: D2.2 34.48,114.61 34.48,104.96 R10.2
Net-(D3-A): length 21.1
  Bottom w0.16: R1.2 29.4,91.55 29.4,102.75 32.45,105.79 D3.2
Net-(J2-VCC): length 17.1
  Top w2: SW2.2 10.87,112.39 J2.1
Net-(U1-/BERR): length 23.1
  Bottom w0.16: U1.44 97.08,104.31 100.47,107.7 110.91,107.7 R8.1
Net-(U1-/BGACK): length 7.2
  Bottom w0.16: R7.1 112.08,103 U1.36
Net-(U1-/BR): length 9.6
  Bottom w0.16: R6.1 109.41,102.09 105.98,98.66 105.98,96.88 U1.37
Net-(U1-/VPA): length 12.1
  Bottom w0.16: U1.43 100.9,96.9 100.9,99.57 100.47,100.01 100.47,105.16 R9.1
Net-(U10-IP3): length 11.6
  Bottom w0.16: R16.1 46.73,104.2 46.73,96.27 U10.3
Net-(U10-IP4): length 8.8
  Bottom w0.16: R14.1 50.56,101.3 49.27,100.01 49.27,96.27 U10.43
Net-(U10-IP5): length 9.5
  Bottom w0.16: U10.42 50.54,99.91 51.88,101.25 51.88,104.68 R15.1
Net-(U10-OP7): length 16.9
  Top w0.16: R1.1 29.17,89.44 36.31,82.3 U10.17
Net-(U10-X1/CLK): length 22.6
  Top w0.16: U10.36 54.35,88.65 68.04,88.65 X2.5
Net-(U13-C1+): length 6.3
  Bottom w0.8: U13.1 73.47,114.86 C20.1
Net-(U13-C1-): length 5
  Top w0.8: C20.2 74.4,116.9 U13.3
Net-(U13-C2+): length 5.4
  Top w0.8: U13.4 76.94,117.92 80,114.86 C22.1
Net-(U13-C2-): length 5.4
  Top w0.8: U13.5 79.48,118 82.5,114.98 C22.2
Net-(U13-R1IN): length 87.7
  Top w0.16: v1(91.71,117.84) 87.75,121.8 81.78,121.8 U13.13 ; 155.23,118 155.23,116.87 152.67,114.31 v1(91.71,114.31)
  Bottom w0.16: v1(91.71,114.31) v1(91.71,117.84)
Net-(U13-R2IN): length 69.2
  Top w0.16: 151.07,120.84 151.07,117.03 150.33,116.29 92.17,116.29 89.44,119.01 U13.8
Net-(U13-T1OUT): length 85.1
  Top w0.16: U13.14 74.4,126.61 80.23,120.78 84.65,120.78 85.87,119.56 85.87,118.27 86.93,117.2 90.11,117.2 91.61,115.7 151.58,115.7 152.46,116.59 152.46,118
Net-(U13-T2OUT): length 76.3
  Top w0.16: U13.7 84.56,118.33 86.4,116.49 89.42,116.49 90.82,115.09 152.52,115.09 153.84,116.42 153.84,120.84
Net-(U13-VS+): length 4.8
  Top w0.8: C24.1 71.86,116.44 U13.2
Net-(U13-VS-): length 5.8
  Top w0.8: U13.6 85.98,115.06 C25.2
Net-(U15-R): length 30.7
  Top w0.16: SW1.2 8.82,103.43 12.38,103.43 14,101.82 U15.4
  Bottom w0.16: U15.4 21.1,99.4 21.1,95.41 R13.2 ; SW1.2 SW1.2
Net-(U15-THR): length 22.9
  Top w0.16: U15.6 16.13,99.28 U15.2 19.67,95.74 R12.1
  Bottom w0.4: C1.2 13.91,102.13 U15.6
Net-(U16-C1+): length 6.5
  Bottom w0.8: U16.1 48.32,114.82 C21.1
Net-(U16-C1-): length 5.2
  Top w0.8: C21.2 51.1,117.12 U16.3
Net-(U16-C2+): length 5.7
  Top w0.8: U16.4 54.7,116.06 C23.1
Net-(U16-C2-): length 5.7
  Top w0.8: C23.2 57.2,116.1 U16.5
Net-(U16-R1IN): length 78.2
  Bottom w0.16: 111.23,118 111.23,122.65 104.31,129.57 49.39,129.57 47.74,127.92 47.74,126.07 48.4,125.41 50.16,125.41 U16.13
Net-(U16-R2IN): length 54.6
  Bottom w0.16: U16.8 61.73,124.02 65.5,127.79 100.12,127.79 107.08,120.84
Net-(U16-T1OUT): length 66.6
  Bottom w0.16: U16.14 50.46,128.25 102.12,128.25 108.46,121.91 108.46,118
Net-(U16-T2OUT): length 63.9
  Top w0.16: v1(60.47,128.96) 60.47,125.46 59.19,124.18 U16.7
  Bottom w0.16: 109.84,120.84 109.84,122.23 103.09,128.99 60.49,128.99 v1(60.47,128.96)
Net-(U16-VS+): length 5
  Top w0.8: C26.1 46.49,116.4 U16.2
Net-(U16-VS-): length 6.1
  Top w0.8: C27.2 56.65,118.89 U16.6

## Copper pours and planes (outline as drawn; the poured copper is in the pictures)
+5V on In2.Cu: 185.99,143.74 183.4,-7.03 -5.98,-6.52 -3.39,144
GND on In1.Cu: 185.64,-3.98 -7.1,-5.25 -4,141.51 185.99,144.3

## Text on the board
F.Silkscreen: RESET | ON | 5V | RST | USR | ROM | RAM0 | RAM1 | RAM2 | RAM3 | RAM4 | RAM5 | RAM6
